# Altium PCB 32直立车-PCB.PcbDoc (part 2 of 2)
Units mm, origin at the board's own origin, x right, y up, seen from the top; angles counter-clockwise.
Board outline 90.55 x 46 mm, 2 copper layers (Top Layer, Bottom Layer); 120 components, 108 nets, 431 pads, 289 vias.
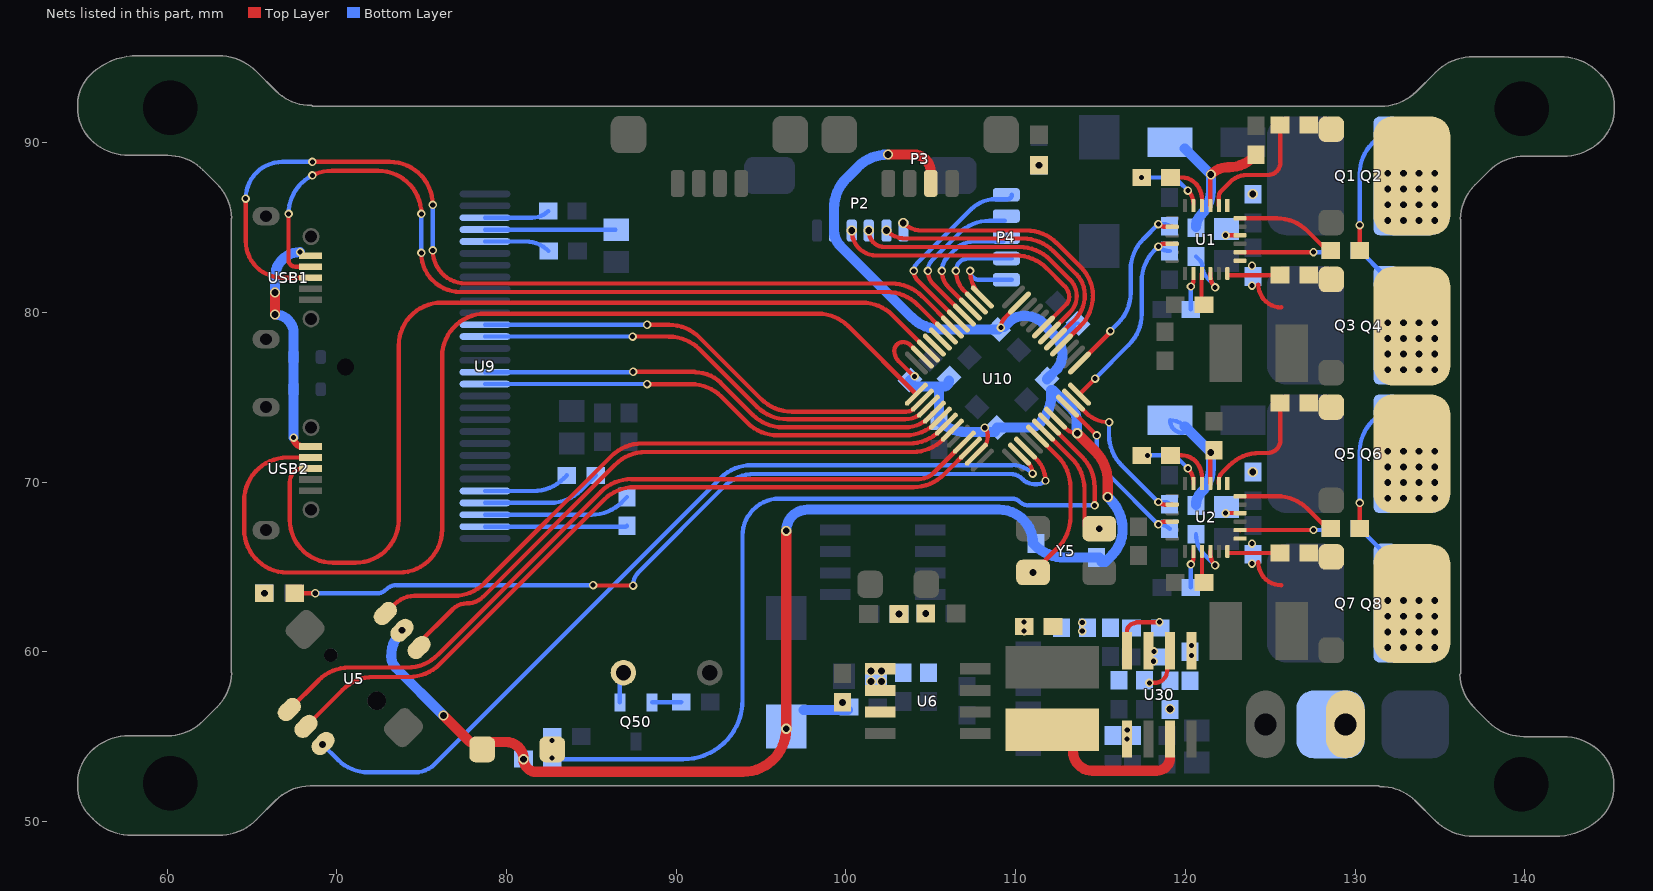
[diagram p2: the nets of this part, all layers, seen from the top]

## Via types
v1: diameter 0.6, hole 0.4, Top Layer to Bottom Layer, tented both sides, 156 vias
v2: diameter 0.5, hole 0.3, Top Layer to Bottom Layer, tented both sides, 131 vias
v3: diameter 0.46, hole 0.3, Top Layer to Bottom Layer, tented both sides, 2 vias

## Nets (pads, with @x,y where several pads share a name; then routed paths per layer and width w, separated by ;. In a path a pad name is that pad's centre, name@x,y a point inside that pad or via, vN(x,y) a via of type N, cw(c..) or ccw(c..) an arc to the next point about the centre after c; other vN are vias at no path point) (continued)
D-GND: C39.2 C40.1 C50.1 C51.1 C52.1 C53.1 C54.1 C55.1 C56.1 C57.1 P2.2 P3.2 R38.1 R51.1 R551.1 S50.1 U5.5 U10.8 U10.23 U10.35 U10.47 | length 129.5
  Top Layer w0.254: v2(104.038,76.225) 104,76.225 103.115,77.11 cw(c103.755,77.75) 102.85,77.75 cw(c103.35,77.75) 103.35,78.25 103.369,78.25 cw(c103.369,77.653) 103.791,78.075 U10.35@104.496,77.37 ; U10.47@107.678,71.642 U10.47@108.112,72.076 ; v2(108.175,73.2) cw(c107.753,72.778) 108.35,72.778 108.35,72.65 cw(c107.539,72.65) U10.47@108.113,72.077 ; U10.47@108.229,72.193 U10.47@108.113,72.077 ; v2@109.2,79.1 v2(109.125,79.1) cw(c109.977,79.1) 109.375,79.703 U10.23@110.224,80.552 U10.23@109.828,80.156 ; U10.8@112.345,73.764 112.939,73.169 ccw(c113.65,73.88) 113.65,72.875 v1(113.625,72.875)
  Top Layer w0.6: v1(76.287,56.238) S50.1@77.837,54.688 ; S50.1@78.925,54.675 79.992,54.675 cw(c79.992,53.668) v1(80.999,53.668) ccw(c81.742,53.668) 81.742,52.925 93.935,52.925 ccw(c93.935,55.465) v1(96.475,55.465) v1(96.475,67.125) ; v1(102.475,89.3) 103.975,89.3 cw(c103.975,88.275) 105,88.275 P3.2@105,87.601 ; v1(113.625,72.875) 114.681,71.819 cw(c112.885,70.023) 115.425,70.023 v1(115.425,69.125)
  Bottom Layer w0.254: C56.1@111.025,66.375 C56.1@111.103,66.297 ; R551.1@113.278,79.184 cw(c113.676,78.786) R551.1@113.676,79.349 ; v1@113.6,72.996 ccw(c113.771,72.996) 113.65,72.875 v1(113.625,72.875) ; v1(115.425,69.125) v1@115.558,68.992
  Bottom Layer w0.6: v1(73.837,61.262) 73.836,61.261 ccw(c75.372,59.725) 73.2,59.725 ccw(c74.166,59.725) 73.483,59.042 v1(76.287,56.238) ; v1(96.475,67.125) cw(c97.725,67.125) 97.725,68.375 109.025,68.375 cw(c109.025,66.375) C56.1@111.025,66.375 ; C39.2@97.5,56.568 R38.1@100.099,56.568 ; v1(102.475,89.3) ccw(c102.475,86.765) 100.683,88.558 100.037,87.912 ccw(c101.833,86.116) 99.293,86.116 P2.2@99.293,84.818 ccw(c100.586,84.818) 99.672,83.903 103.847,79.728 ccw(c105.643,81.524) 105.643,78.984 C53.1@108.985,78.984 ; C55.1@103.771,76.015 ccw(c104.161,76.015) 104.161,75.625 105.718,75.625 ccw(c105.718,75.971) C51.1@106.064,75.971 ; 105.474,75.45 R51.1@105.474,73.618 ccw(c107.087,75.231) 107.087,72.95 C52.1@108.775,72.95 ; C52.1@108.917,73.21 110.82,73.21 ccw(c110.82,74.03) 111.4,73.45 ccw(c109.71,75.14) 112.1,75.14 112.1,75.431 cw(c112.1,75.263) 112.218,75.382 113.353,74.247 ; C53.1@109.318,79.143 109.602,79.426 cw(c110.503,78.525) 109.921,79.659 cw(c110.503,78.525) 110.503,79.8 cw(c110.503,78.178) 111.56,79.409 ; C56.1@111.103,66.297 ccw(c112.899,68.093) 112.899,65.553 C57.1@114.924,65.553 ; 111.45,79.525 111.56,79.409 ; 111.65,79.325 ccw(c110.503,78.178) 111.56,79.409 ; C54.1@111.838,76.063 112.376,76.601 ccw(c111.475,77.503) 112.75,77.503 ccw(c111.128,77.503) 112.485,78.391 ; R551.1@113.278,79.184 112.485,78.391 ; 113.353,74.247 cw(c112.755,73.65) 113.6,73.65 v1@113.6,72.996 ; C57.1@115.075,65.3 115.275,65.3 115.681,65.706 ccw(c114.188,67.2) 116.3,67.2 ccw(c113.765,67.2) v1@115.558,68.992 ; 111.56,79.409 112.275,78.65 cw(c111.128,77.503) 112.485,78.391
  other v1: 99.799,57.018
ENCODER-1: P2.5 U10.17 | length 17.7
  Top Layer w0.254: v1(102.388,84.818) ccw(c103.518,85.948) 103.518,84.35 110.423,84.35 cw(c110.423,81.81) 112.219,83.606 113.562,82.263 cw(c112.325,81.025) 114.075,81.025 cw(c111.988,81.025) 113.464,79.549 U10.17@112.345,78.43 ; U10.17@112.701,78.787 U10.17@112.345,78.43 ; U10.17@112.719,78.805 U10.17@112.345,78.43
ENCODER-2: P2.6 U10.16 | length 16.8
  Top Layer w0.254: v1(103.375,85.275) ccw(c104.461,86.361) 104.461,84.825 110.623,84.825 cw(c110.623,82.285) 112.419,84.081 113.864,82.636 cw(c112.209,80.98) 114.55,80.98 cw(c112.01,80.98) 113.806,79.184 U10.16@112.699,78.077
GHA-1: R1.2 U1.24 | length 5.6
  Top Layer w0.254: U1.24@123.224,85.543 125.397,85.543 cw(c125.397,83.003) 127.193,84.799 R1.2@128.19,83.802
GHA-2: R10.2 U2.24 | length 5.6
  Top Layer w0.254: U2.24@123.224,69.168 125.397,69.168 cw(c125.397,66.628) 127.193,68.424 R10.2@128.19,67.427
GHB-1: R5.2 U1.20 | length 5.4
  Top Layer w0.254: U1.20@123.224,83.543 123.235,83.554 123.239,83.55 v2(127.55,83.55)
  Bottom Layer w0.254: v2(127.55,83.55) 128.317,83.55 128.322,83.554 128.333,83.543 ccw(c128.333,83.884) R5.2@128.574,83.643
GHB-2: R14.2 U2.20 | length 5
  Top Layer w0.254: U2.20@123.224,67.168 123.234,67.178 123.238,67.175 v2(127.55,67.175)
  Bottom Layer w0.254: v2(127.55,67.175) 128.197,67.175 R14.2@128.2,67.178
GLA-1: R4.1 U1.2 | length 7.3
  Top Layer w0.254: U1.2@121.974,86.293 121.974,86.841 cw(c122.401,86.841) 122.099,87.143 ; 122.099,87.143 122.642,87.686 cw(c123.624,86.705) 123.624,88.093 124.849,88.093 ccw(c124.849,88.843) 125.599,88.843 R4.1@125.599,91.018
GLA-2: R13.1 U2.2 | length 7.1
  Top Layer w0.254: U2.2@121.974,69.918 121.974,70.107 cw(c122.593,70.107) 122.155,70.545 122.585,70.974 cw(c124.381,69.178) 124.381,71.718 124.849,71.718 ccw(c124.849,72.468) 125.599,72.468 R13.1@125.599,74.643
GLB-1: R6.1 U1.18 | length 2.9
  Top Layer w0.254: U1.18@122.574,82.193 R6.1@125.449,82.193
GLB-2: R15.1 U2.18 | length 2.9
  Top Layer w0.254: U2.18@122.574,65.818 R15.1@125.449,65.818
IN-3V3: D100.1 D101.1 USB1.1 USB2.1 | length 14
  Top Layer w0.254: USB2.1@67.982,72.093 USB2.1@68.449,72.093 ; USB1.1@68.177,83.343 USB1.1@68.449,83.343
  Top Layer w0.4: v2(67.45,72.625) ccw(c67.982,72.625) USB2.1@67.982,72.093
  Top Layer w0.6: v1(66.35,79.875) v1(66.35,81.175)
  Bottom Layer w0.6: v1(66.35,79.875) cw(c66.35,78.776) 67.449,78.776 D100.1@67.449,77.368 D101.1@67.449,75.468 67.45,75.467 v2(67.45,72.625) ; v1(66.35,81.175) 66.35,82.075 cw(c67.825,82.075) v2(67.825,83.55)
KEY-DOWN: U5.6 U10.43 | length 36.5
  Top Layer w0.254: U5.6@74.695,60.379 76.823,62.508 cw(c77.65,61.681) 77.65,62.85 ccw(c77.65,64.238) 78.632,63.257 86.406,71.031 cw(c88.202,69.235) 88.202,71.775 103.93,71.775 ccw(c103.93,74.315) 105.727,72.519 U10.43@106.264,73.056
KEY-LEFT: U5.3 U10.2 | length 51.3
  Top Layer w0.254: U10.2@110.224,71.642 110.741,71.125 cw(c110.116,70.5) v2(111,70.5)
  Bottom Layer w0.254: v1(69.149,54.543) 70.055,53.637 ccw(c71.851,55.433) 71.851,52.893 74.599,52.893 ccw(c74.599,54.523) 75.751,53.37 92.637,70.256 cw(c94.433,68.46) 94.433,71 105.406,71 105.41,70.996 105.89,70.996 105.894,71 109.793,71 cw(c109.793,69.293) v2(111,70.5)
KEY-MID: U5.2@68.18,55.605 U10.46 | length 45.5
  Top Layer w0.254: U5.2@68.18,55.605 70.349,57.774 cw(c72.145,55.978) 72.145,58.518 74.247,58.518 ccw(c74.247,61.058) 76.043,59.262 85.737,68.956 cw(c87.533,67.16) 87.533,69.7 103.977,69.7 ccw(c103.977,72.24) 105.773,70.444 U10.46@107.325,71.996
KEY-RIGHT: U5.4 U10.42 | length 37.3
  Top Layer w0.254: U5.4@72.85,62.25 73.411,62.811 cw(c74.574,61.648) 74.574,63.293 76.891,63.293 ccw(c76.891,65.833) 78.687,64.037 86.181,71.531 cw(c87.977,69.735) 87.977,72.275 103.723,72.275 ccw(c103.723,74.815) 105.519,73.019 U10.42@105.91,73.41
KEY-UP: U5.1@67.192,56.592 U10.45 | length 45.9
  Top Layer w0.254: U5.1@67.192,56.592 68.924,58.324 cw(c70.72,56.528) 70.72,59.068 74.141,59.068 ccw(c74.141,61.608) 75.937,59.812 85.556,69.431 cw(c87.352,67.635) 87.352,70.175 104.273,70.175 ccw(c104.273,71.44) 105.167,70.545 U10.45@106.971,72.349 U10.45@106.971,72.327
LED: LED4.C U10.3 | length 50
  Top Layer w0.254: LED4.C@67.324,63.443 LED4.C@67.524,63.443 68.718,63.443 v2(68.725,63.45) ; v2(85.1,63.925) 85.125,63.9 v2(87.45,63.9) ; U10.3@110.577,71.996 111.221,71.352 cw(c109.944,70.075) v3(111.75,70.075)
  Bottom Layer w0.254: v2@68.725,63.443 72.356,63.443 ccw(c72.356,64.211) 72.899,63.668 cw(c73.532,63.035) 73.532,63.93 73.537,63.925 v2(85.1,63.925) ; v2(87.45,63.9) cw(c88.582,63.9) 87.782,64.701 92.812,69.731 cw(c94.608,67.935) 94.608,70.475 109.676,70.475 cw(c109.676,69.451) 110.4,70.175 110.417,70.158 ccw(c111.1,70.841) 111.1,69.875 111.267,69.875 ccw(c111.267,70.558) v3(111.75,70.075)
MOTOR-1-A: R3.1 U1.8 U10.13 | length 11.5
  Top Layer w0.254: U10.13@113.759,77.016 U10.13@114.273,77.53 ; U10.13@114.274,77.53 115.575,78.832 v2(115.575,78.9) ; v2(118.406,85.2) ccw(c118.785,85.579) 118.785,85.043 U1.8@119.224,85.043
  Bottom Layer w0.254: v2(115.575,78.9) 116.031,79.356 ccw(c114.235,81.152) 116.775,81.152 116.775,82.517 cw(c119.315,82.517) 117.519,84.313 v2(118.406,85.2) 118.755,85.2 cw(c118.755,84.749) R3.1@119.074,85.068
MOTOR-1-B: R2.1 U1.10 U10.12 | length 12
  Top Layer w0.254: U10.12@113.759,75.178 114.579,75.997 ccw(c114.482,76.094) 114.619,76.094 v2(114.675,76.094) ; v2(118.406,83.878) cw(c118.803,83.481) 118.803,84.043 U1.10@119.224,84.043
  Bottom Layer w0.254: v2(114.675,76.094) 116.681,78.1 ccw(c114.885,79.896) 117.425,79.896 117.425,81.845 cw(c119.965,81.845) 118.169,83.641 v2(118.406,83.878) ccw(c119.034,84.507) 119.034,83.618 R2.1@119.074,83.618
MOTOR-2-A: R12.1 U2.8 U10.11 | length 9.9
  Top Layer w0.254: U10.11@113.406,74.824 114.143,74.087 ccw(c115.5,75.444) v2(115.5,73.525) ; v2@118.425,68.825 ccw(c118.804,69.204) 118.804,68.668 U2.8@119.224,68.668
  Bottom Layer w0.254: v2(115.5,73.525) 115.5,72.783 ccw(c118.04,72.783) 116.244,70.987 v2(118.406,68.825) 118.755,68.825 cw(c118.755,68.374) R12.1@119.074,68.693
MOTOR-2-B: R11.1 U2.10 U10.10 | length 10.7
  Top Layer w0.254: U10.10@113.052,74.471 114.243,73.28 114.245,73.28 v2(114.775,72.75) ; v2(118.406,67.503) cw(c118.803,67.106) 118.803,67.668 U2.10@119.224,67.668
  Bottom Layer w0.254: v2(114.775,72.75) 114.775,72.186 ccw(c117.315,72.186) 115.519,70.39 v2(118.406,67.503) 118.446,67.503 cw(c118.446,66.615) R11.1@119.074,67.243
MPU6050-SCL: P2.3 U10.19 | length 17.1
  Top Layer w0.254: v1(100.34,84.818) 100.34,84.81 ccw(c101.8,84.81) 101.8,83.35 103.081,83.35 103.085,83.354 103.565,83.354 103.569,83.35 110.023,83.35 cw(c110.023,80.81) 111.819,82.606 112.885,81.54 cw(c112.245,80.9) 113.15,80.9 cw(c112.545,80.9) 112.973,80.472 U10.19@111.638,79.138
MPU6050-SDA: P2.4 U10.18 | length 17.7
  Top Layer w0.254: v1(101.34,84.818) 101.34,84.78 ccw(c102.271,84.78) 102.271,83.85 110.223,83.85 cw(c110.223,81.31) 112.019,83.106 113.211,81.914 cw(c112.272,80.975) 113.6,80.975 cw(c112.194,80.975) 113.188,79.981 U10.18@111.992,78.784 U10.18@112.511,79.303
Net12V-IN_1: 12V-IN.1 S1.2
NetC2_1: C2.1 U1.4 | length 2.9
  Top Layer w0.254: C2.1@119.125,87.95 119.79,87.95 cw(c119.79,86.84) 120.575,87.625 cw(c119.612,86.662) U1.4@120.974,86.662 ; U1.4@120.974,86.293 U1.4@120.974,86.596
NetC2_2: C2.2 U1.5 | length 3.9
  Top Layer w0.254: v2(120.15,87.175) cw(c119.368,86.393) U1.5@120.474,86.393
  Bottom Layer w0.254: v2(117.425,87.95) 118.975,87.95 cw(c118.975,86.984) 119.658,87.667 v2(120.15,87.175)
NetC5_2: C5.2 U1.22 | length 0.7
  Top Layer w0.254: v2(122.374,84.543) U1.22@123.074,84.543
NetC9_1: C9.1 U2.4 | length 3
  Top Layer w0.254: C9.1@119.125,71.575 119.79,71.575 cw(c119.79,70.465) 120.575,71.25 cw(c119.612,70.287) 120.974,70.287 U2.4@120.974,69.918
NetC9_2: C9.2 U2.5 | length 3.7
  Top Layer w0.254: v2@120.273,70.8 v2(120.15,70.8) cw(c119.368,70.018) 120.474,70.018 U2.5@120.474,69.918
  Bottom Layer w0.254: v2@117.776,71.575 118.975,71.575 cw(c118.975,70.609) 119.658,71.292 v2(120.15,70.8)
  other v2: 117.776,71.576
NetC12_2: C12.2 U2.22 | length 0.5
  Top Layer w0.254: v2(122.374,68.168) 122.381,68.175 U2.22@122.875,68.175
NetC33_1: C33.1 L30.1 U30.3 | length 6.8
  Top Layer w0.6: L30.1@113.374,54.143 ccw(c114.533,54.143) 114.533,52.984 118.301,52.984 ccw(c118.299,53.784) U30.3@119.099,53.768
  other v1: 119.1,56.625
NetC33_2: C33.2 R30.1
NetC34_1: C34.1 U30.7
  other v2: 118.124,59.443 118.149,60.018
NetC35_1: C35.1 R33.2 U30.1
  other v2: 116.555,54.862 116.574,55.393
NetC38_2: C38.2 R36.2
  other v2: 110.499,61.218 110.499,61.743
NetC42_2: C42.2 C43.2 F4.2 U6.5 U6.6 U6.7
  other v1: 101.474,58.243 102.099,58.243 101.474,58.868 102.099,58.868
NetC60_1: C60.1 U9.2 | length 8.4
  Bottom Layer w0.254: U9.2@78.728,67.372 86.989,67.372 ccw(c86.989,67.528) C60.1@87.099,67.418
NetC60_2: C60.2 U9.3 | length 8.7
  Bottom Layer w0.254: U9.3@78.728,68.073 85.001,68.073 ccw(c85.001,70.613) 86.797,68.816 C60.2@87.099,69.118
NetC61_1: C61.1 U9.4 | length 7.1
  Bottom Layer w0.254: U9.4@78.728,68.773 82.577,68.773 ccw(c82.577,71.313) 84.373,69.517 C61.1@85.249,70.393
NetC61_2: C61.2 U9.5 | length 5.1
  Bottom Layer w0.254: U9.5@78.728,69.473 81.577,69.473 ccw(c81.577,72.013) 83.373,70.217 C61.2@83.549,70.393
NetC62_1: C62.1 U9.27 | length 7.7
  Bottom Layer w0.254: U9.27@78.728,84.877 C62.1@86.415,84.877
NetC63_1: C63.1 U9.28 | length 3.8
  Bottom Layer w0.254: U9.28@78.728,85.577 81.506,85.577 ccw(c81.506,86.911) C63.1@82.449,85.968
NetLED1_A: LED1.A R41.1
  other v1: 111.375,88.675
NetLED2_A: LED2.A R42.1
  other v1: 104.7,62.25
NetLED3_A: LED3.A R43.1
  other v1: 103.124,62.218
NetLED4_A: LED4.A R44.1
  other v1: 65.724,63.443
NetQ1_1: Q1.1 R1.1 | length 7.7
  Top Layer w0.254: R1.1@130.274,83.643 v2(130.274,85.143)
  Bottom Layer w0.254: v2(130.274,85.143) 130.274,88.166 cw(c132.814,88.166) 131.018,89.962 Q1.1@131.849,90.793
NetQ2_1: Q2.1 R4.2
NetQ3_1: Q3.1 R5.1 | length 2.1
  Bottom Layer w0.254: R5.1@130.274,83.643 Q3.1@131.753,82.164
NetQ4_1: Q4.1 R6.2
NetQ5_1: Q5.1 R10.1 | length 7.7
  Top Layer w0.254: R10.1@130.274,67.268 v2(130.274,68.768)
  Bottom Layer w0.254: v2(130.274,68.768) 130.274,71.791 cw(c132.814,71.791) 131.018,73.587 Q5.1@131.849,74.418
NetQ6_1: Q6.1 R13.2
NetQ7_1: Q7.1 R14.1 | length 2.1
  Bottom Layer w0.254: R14.1@130.274,67.268 Q7.1@131.753,65.789
NetQ8_1: Q8.1 R15.2
NetQ50_1: Q50.1 SPEAKER1.1 | length 1.8
  Bottom Layer w0.254: Q50.1@86.674,57.018 86.674,58.237 cw(c87.391,58.237) SPEAKER1.1@86.884,58.744
NetQ50_2: Q50.2 R53.2 | length 1.7
  Bottom Layer w0.254: Q50.2@88.574,57.018 90.274,57.018 R53.2@90.299,57.043
NetR7_1: R7.1 U1.14 | length 1.7
  Top Layer w0.254: v2(120.325,81.525) ccw(c119.965,81.885) 120.474,81.885
  Bottom Layer w0.254: R7.1@120.325,80.175 v2(120.325,81.525)
NetR8_1: R8.1 U1.16 | length 3.1
  Top Layer w0.254: U1.16@121.474,82.293 121.474,82.141 ccw(c122.416,82.141) v2(121.75,81.475)
  Bottom Layer w0.254: R8.1@120.624,83.293 120.864,83.053 cw(c120.536,82.725) 121,82.725 ccw(c121.966,82.725) 121.283,82.042 121.75,81.575 v2(121.75,81.475)
NetR9_2: R9.2 U1.15 | length 1.7
  Top Layer w0.254: R9.2@120.974,80.65 120.952,80.672 120.952,82.271 U1.15@120.974,82.293
NetR16_1: R16.1 U2.14 | length 2.2
  Top Layer w0.254: v2(120.325,65.15) ccw(c119.965,65.51) 120.474,65.51 U2.14@120.474,65.918
  Bottom Layer w0.254: R16.1@120.325,63.8 v2(120.325,65.15)
NetR17_1: R17.1 U2.16 | length 3.1
  Top Layer w0.254: U2.16@121.474,65.918 121.474,65.766 ccw(c122.416,65.766) v2(121.75,65.1)
  Bottom Layer w0.254: R17.1@120.624,66.918 ccw(c122.295,66.918) 121.113,65.737 v2(121.75,65.1)
NetR18_2: R18.2 U2.15 | length 1.9
  Top Layer w0.254: U2.15@120.974,65.918 120.974,64.379 ccw(c121.404,64.379) R18.2@121.1,64.075
NetR30_2: R30.2 U30.5
  other v2: 120.349,59.768 120.349,60.368
NetR31_1: R31.1 R32.1 R34.1 R36.1
  other v2: 113.924,61.218 113.924,61.718
NetR31_2: R31.2 U30.8 | length 3.3
  Top Layer w0.254: U30.8@116.555,60.062 116.555,61.174 cw(c117.074,61.174) 117.074,61.693 117.124,61.743 v2(118.474,61.743)
NetR35_1: R35.1 R37.2 U30.6 | length 2.7
  Top Layer w0.254: v2(117.874,58.168) 118.199,58.168 ccw(c118.199,58.893) 118.924,58.893 118.924,59.89 cw(c119.095,59.89) U30.6@119.095,60.062
NetR60_2: R60.2 U9.26 | length 3.9
  Bottom Layer w0.254: U9.26@78.728,84.177 81.124,84.177 cw(c81.124,82.268) R60.2@82.474,83.618
NRST: C50.2 R50.1 S50.2 U10.7 | length 50.8
  Top Layer w0.254: U10.7@111.992,73.41 113.906,71.495 cw(c112.11,69.699) 114.65,69.699 v2(114.65,68.625)
  Bottom Layer w0.254: C50.2@82.699,53.668 90.414,53.668 ccw(c90.414,57.153) 93.899,57.153 93.899,66.835 cw(c96.089,66.835) 96.089,69.025 109.803,69.025 cw(c109.803,68.428) 110.225,68.85 ccw(c110.768,69.393) 110.768,68.625 v2(114.65,68.625)
  other v2: 82.674,53.743 82.674,54.768
OLED-D0: U9.18 U10.39 | length 28.2
  Top Layer w0.254: v2(87.425,78.575) 89.565,78.575 89.572,78.568 cw(c89.572,76.028) 91.368,77.824 94.748,74.444 ccw(c96.544,76.24) 96.544,73.7 103.5,73.7 ccw(c103.5,75.098) 104.489,74.11 U10.39@104.85,74.471
  Bottom Layer w0.254: U9.18@78.728,78.576 v2(87.425,78.575)
OLED-D1: U9.19 U10.38 | length 27.9
  Top Layer w0.254: v2(88.274,79.268) 89.572,79.268 cw(c89.572,76.728) 91.368,78.524 94.998,74.894 ccw(c96.794,76.69) 96.794,74.15 103.55,74.15 ccw(c103.55,74.807) 104.014,74.342 U10.38@104.496,74.824
  Bottom Layer w0.254: U9.19@78.728,79.276 v2@88.274,79.276
OLED-DC: U9.15 U10.40 | length 27.9
  Top Layer w0.254: v2(87.45,76.5) 91.083,76.5 91.115,76.468 cw(c91.115,74.334) 92.624,75.843 94.498,73.969 ccw(c96.294,75.765) 96.294,73.225 103.475,73.225 ccw(c103.475,75.244) 104.903,73.816 U10.40@105.203,74.117
  Bottom Layer w0.254: U9.15@78.728,76.475 v2@87.45,76.475
OLED-RST: U9.14 U10.41 | length 28.2
  Top Layer w0.254: v2(88.274,75.768) 90.872,75.768 cw(c90.872,73.228) 92.668,75.024 94.198,73.494 ccw(c95.994,75.29) 95.994,72.75 103.491,72.75 ccw(c103.491,75.29) 105.287,73.494 U10.41@105.557,73.764
  Bottom Layer w0.254: U9.14@78.728,75.775 v2@88.274,75.775
OSC-IN: C56.2 U10.5 Y5.1 | length 9.5
  Top Layer w0.254: v1(111.025,64.675) 112.481,66.131 ccw(c110.685,67.927) 113.225,67.927 113.225,69.71 ccw(c110.685,69.71) 112.481,71.506 U10.5@111.284,72.703
OSC-OUT: C57.2 U10.6 Y5.3 | length 6.5
  Top Layer w0.254: U10.6@111.638,73.056 113.306,71.388 cw(c111.51,69.592) 114.05,69.592 Y5.3@114.05,67.425
  other v1: 114.924,67.253
PA8-NO: P4.1 U10.29 | length 11.7
  Top Layer w0.254: v2(103.99,82.45) ccw(c104.791,82.45) 104.225,81.884 U10.29@106.618,79.491
  Bottom Layer w0.254: v2(103.99,82.45) cw(c104.571,82.45) 104.16,82.86 107.374,86.074 cw(c108.825,84.623) 108.825,86.675 109.525,86.675 ccw(c109.525,86.925) P4.1@109.775,86.925
PA11-NO: U10.32
PA12--NO: U10.33
PB12-NO: P4.5 U10.25 | length 4.5
  Top Layer w0.254: v2(107.31,82.45) ccw(c109.295,82.45) 107.891,81.046 U10.25@108.032,80.905
  Bottom Layer w0.254: v2(107.31,82.45) ccw(c107.835,82.45) 107.835,81.925 P4.5@109.45,81.925 P4.5@109.775,81.925
PB13-NO: P4.4 U10.26 | length 6
  Top Layer w0.254: v2(106.48,82.45) ccw(c108.169,82.45) 106.975,81.255 U10.26@107.678,80.552
  Bottom Layer w0.254: v2(106.48,82.45) cw(c107.205,82.45) 107.205,83.175 P4.4@109.45,83.175 P4.4@109.775,83.175
PB14-NO: P4.3 U10.27 | length 7.4
  Top Layer w0.254: v2(105.65,82.45) ccw(c107.043,82.45) 106.058,81.465 U10.27@107.325,80.198
  Bottom Layer w0.254: v2(105.65,82.45) cw(c106.797,82.45) 105.986,83.261 106.451,83.726 cw(c107.535,82.642) 107.535,84.175 P4.3@109.275,84.175
PB15-NO: P4.2 U10.28 | length 9.3
  Top Layer w0.254: v2(104.82,82.45) ccw(c105.917,82.45) 105.142,81.674 U10.28@106.971,79.845
  Bottom Layer w0.254: v2(104.82,82.45) cw(c105.714,82.45) 105.082,83.082 106.656,84.656 cw(c108.452,82.86) 108.452,85.4 P4.2@109.35,85.4
SA-1: B1.1 C4.2 Q1.3 Q2.2 U1.1
  other v1: 131.924,85.418 132.849,85.418 133.774,85.418 134.699,85.418 131.924,86.343 132.849,86.343 133.774,86.343 134.699,86.343 123.974,86.968 131.924,87.268 132.849,87.268 133.774,87.268 134.699,87.268 131.924,88.193 132.849,88.193 133.774,88.193 134.699,88.193
SA-2: B2.1 C11.2 Q5.3 Q6.2 U2.1
  other v1: 131.924,69.043 132.849,69.043 133.774,69.043 134.699,69.043 131.924,69.968 132.849,69.968 133.774,69.968 134.699,69.968 123.974,70.593 131.924,70.893 132.849,70.893 133.774,70.893 134.699,70.893 131.924,71.818 132.849,71.818 133.774,71.818 134.699,71.818
SB-1: B1.2 C7.2 Q3.3 Q4.2 U1.19 | length 2.1
  Top Layer w0.254: 124.299,81.643 ccw(c125.649,81.643) 125.649,80.293
  other v1: 131.924,76.618 132.849,76.618 133.774,76.618 134.699,76.618 131.924,77.543 132.849,77.543 133.774,77.543 134.699,77.543 131.924,78.468 132.849,78.468 133.774,78.468 134.699,78.468 131.924,79.393 132.849,79.393 133.774,79.393 134.699,79.393
  other v2: 123.925,81.575 123.925,82.75
SB-2: B2.2 C14.2 Q7.3 Q8.2 U2.19 | length 2.1
  Top Layer w0.254: 124.299,65.268 ccw(c125.649,65.268) 125.649,63.918
  other v1: 131.924,60.243 132.849,60.243 133.774,60.243 134.699,60.243 131.924,61.168 132.849,61.168 133.774,61.168 134.699,61.168 131.924,62.093 132.849,62.093 133.774,62.093 134.699,62.093 131.924,63.018 132.849,63.018 133.774,63.018 134.699,63.018
  other v2: 123.925,65.2 123.925,66.375
SWCLK: U10.37 USB2.2 | length 63.1
  Top Layer w0.254: USB2.2@68.449,71.443 67.074,71.443 ccw(c67.074,68.903) 64.534,68.903 64.534,67.208 ccw(c67.074,67.208) 67.074,64.668 73.659,64.668 ccw(c73.659,67.208) 76.199,67.208 76.199,77.385 cw(c78.739,77.385) 78.739,79.925 98.343,79.925 cw(c98.343,77.385) 100.139,79.181 U10.37@104.143,75.178
SWDIO: U10.34 USB2.3 | length 57.2
  Top Layer w0.254: USB2.3@68.449,70.793 67.999,70.793 ccw(c67.999,70.018) 67.224,70.018 67.224,67.783 ccw(c69.764,67.783) 69.764,65.243 71.099,65.243 ccw(c71.099,67.783) 73.639,67.783 73.639,78.035 cw(c76.179,78.035) 76.179,80.575 100.946,80.575 cw(c100.946,78.035) 102.742,79.831 U10.34@104.85,77.723
UART1-RX: U10.31 USB1.2 | length 50.4
  Top Layer w0.254: v2(67.149,85.803) 67.149,83.093 ccw(c67.549,83.093) 67.549,82.693 USB1.2@68.449,82.693 ; v2@68.536,88.066 cw(c69.689,85.803) 69.689,88.343 72.435,88.343 cw(c72.435,85.803) v2(74.975,85.803) ; v2(74.975,83.5) ccw(c77.275,83.5) 77.275,81.2 102.417,81.2 cw(c102.417,78.66) 104.213,80.456 U10.31@105.91,78.759
  Bottom Layer w0.254: v2(67.149,85.803) cw(c69.689,85.803) v2@68.536,88.066 ; v2(74.975,83.5) v2(74.975,85.803)
  other v2: 68.55,88.075
UART1-TX: U10.30 USB1.3 | length 56.6
  Top Layer w0.254: v2(64.624,86.703) 64.624,84.208 ccw(c66.789,84.208) 66.789,82.043 USB1.3@68.449,82.043 ; v2(68.55,88.868) 73.11,88.868 cw(c73.11,86.328) v2(75.65,86.328) ; v2(75.65,83.65) ccw(c77.6,83.65) 77.6,81.7 102.674,81.7 cw(c102.674,79.16) 104.47,80.956 U10.30@106.289,79.138
  Bottom Layer w0.254: v2(64.624,86.703) cw(c66.789,86.703) 66.789,88.868 v2(68.55,88.868) ; v2(75.65,83.65) v2(75.65,86.328)
VBB-1: C3.2 D1.K R8.2 U1.3 | length 10.3
  Top Layer w0.254: U1.3@121.474,86.293 121.474,88.062 cw(c121.563,88.062) v1(121.5,88.125) ; 122.526,88.55 122.55,88.55 ; C3.2@124.011,89.155 C3.2@124.149,89.293
  Top Layer w0.6: v1(121.5,88.125) cw(c122.526,87.099) 122.526,88.55 ; 122.55,88.55 ccw(c122.55,90.617) C3.2@124.011,89.155
  Bottom Layer w0.6: D1.K@119.966,89.659 v1(121.5,88.125) 121.5,87.138 cw(c119.537,87.138) 120.925,85.75 ccw(c121.652,85.023) R8.2@120.624,85.023
VBB-2: C10.2 D2.K R17.2 U2.3 | length 9.7
  Top Layer w0.254: U2.3@121.474,69.918 C10.2@121.474,71.543
  Bottom Layer w0.254: D2.K@119.849,72.893 cw(c119.849,73.643) D2.K@119.099,73.643 cw(c119.099,72.417) D2.K@119.966,73.284 ; R17.2@120.624,68.618 R17.2@120.624,68.648 ; R17.2@120.649,68.618 cw(c121.192,68.618) R17.2@120.808,69.002
  Bottom Layer w0.6: D2.K@119.966,73.284 v1(121.5,71.75) 121.5,70.763 cw(c119.537,70.763) 120.925,69.375 ccw(c121.652,68.648) R17.2@120.624,68.648
pads on no net: P1.0 P2.9 P2.10 P3.0 U5.0 U5.1@69.648,59.799 U5.2@72.342,57.105 U6.8 U9.7 U9.20 U100.8 USB1.0 USB1.4 USB2.0 USB2.4 Y5.2 Y5.4

## Polygon pours and split planes (outlines as drawn)
A-GND on Top Layer "Bottom Layer-No Net" (solid, pour order 0): 68.477,92.068 131.473,92.068 cw(c131.473,92.018) 131.523,92.018 133.535,92.018 cw(c133.535,89.478) 136.075,89.478 136.075,85.43 136.075,58.794 ccw(c136.099,58.794) 136.099,58.77 136.099,54.765 cw(c133.559,54.765) 133.559,52.225 130.825,52.225 68.477,52.225 68.477,52.218 66.439,52.218 cw(c66.439,54.758) 63.899,54.758 63.899,58.82 63.899,85.48 63.899,89.478 cw(c66.439,89.478) 66.439,92.018 68.477,92.018
A-GND on Bottom Layer "Bottom Layer-No Net" (solid, pour order 2): 68.477,92.068 131.473,92.068 cw(c131.473,92.018) 131.523,92.018 133.559,92.018 cw(c133.559,89.478) 136.099,89.478 136.099,85.43 136.099,58.77 136.099,54.74 cw(c133.559,54.74) 133.559,52.2 131.6,52.2 68.495,52.2 cw(c68.495,52.218) 68.477,52.218 66.465,52.218 cw(c66.465,54.758) 63.925,54.758 63.925,58.82 63.925,89.478 cw(c66.465,89.478) 66.465,92.018 68.477,92.018

## Keep-outs
Keep-Out Layer:
  lines w0.254: 54.85,52.055 ccw(c57.155,52.055) 55.765,50.216 ; 54.85,92.028 ccw(c57.332,92.028) 55.577,90.273 ccw(c57.745,92.441) 57.745,89.375 59.725,89.375 60.03,89.375 cw(c60.03,86.309) 62.198,88.477 63.027,87.648 cw(c60.859,85.48) 63.925,85.48 ; 54.859,52.055 cw(c57.332,52.272) 55.577,54.027 cw(c57.745,51.859) 57.745,54.925 59.725,54.925 60.03,54.925 ccw(c60.03,57.991) 62.198,55.823 63.027,56.652 ccw(c60.859,58.82) 63.925,58.82 ; 54.86,92.029 cw(c57.155,92.245) 55.525,93.875 cw(c58.241,91.159) 58.241,95 63.005,95 cw(c63.005,91.934) 65.173,94.102 66.309,92.966 ccw(c68.477,95.134) 68.477,92.068 ; 55.752,50.198 ccw(c57.92,52.366) 57.92,49.3 63.005,49.3 ccw(c63.005,52.366) 65.173,50.198 66.309,51.334 cw(c68.477,49.166) 68.477,52.232 ; 63.899,58.82 63.899,85.48 ; 68.477,52.218 131.498,52.218 ; 68.477,92.018 131.523,92.018 ccw(c131.523,95.084) 133.691,92.916 134.827,94.052 cw(c136.995,91.884) 136.995,94.95 142.08,94.95 cw(c142.08,91.884) 144.248,94.052 144.475,93.825 cw(c142.845,92.195) 145.15,92.195 145.15,91.978 cw(c142.668,91.978) 144.423,90.223 cw(c142.255,92.391) 142.255,89.325 140.275,89.325 139.97,89.325 ccw(c139.97,86.259) 137.802,88.427 136.973,87.598 ccw(c139.141,85.43) 136.075,85.43 ; 131.498,52.182 cw(c131.498,49.116) 133.666,51.284 134.802,50.148 ccw(c136.97,52.316) 136.97,49.25 141.757,49.25 ccw(c141.757,53.036) 144.434,50.359 ; 136.05,58.77 ccw(c139.116,58.77) 136.948,56.602 137.777,55.773 ccw(c139.945,57.941) 139.945,54.875 140.25,54.875 142.23,54.875 cw(c142.23,51.809) 144.398,53.977 cw(c142.643,52.222) 145.125,52.222 ; 136.099,58.77 136.099,83.568 136.099,85.43 ; 144.45,50.375 ccw(c142.82,52.005) 145.115,52.221

## Other copper
Top Layer:
  rectangle net NetR31_1: 112.549,60.993 114.224,61.993
  rectangle net NetC33_1: 118.799,55.868 119.399,57.143
  rectangle net 12V: 114.274,89.268 123.424,90.793
  region net A-3V3: 118.849,67.143 118.849,66.668 119.599,66.668 119.599,67.143
  region net A-3V3: 118.849,83.518 118.849,83.043 119.599,83.043 119.599,83.518
  region net SB-2: 122.824,66.793 122.824,66.168 124.474,66.168 124.474,66.793
  region net SB-1: 122.824,83.168 122.824,82.543 124.474,82.543 124.474,83.168
  region net SB-2: 123.474,64.493 123.474,63.368 131.574,63.368 131.574,64.493
  region net SB-2: 123.474,65.468 123.474,64.343 124.474,64.343 124.474,65.468
  region net SB-1: 123.474,81.843 123.474,80.718 124.474,80.718 124.474,81.843
  region net SB-1: 123.474,80.868 123.474,79.743 131.574,79.743 131.574,80.868
  region net SA-2: 122.349,70.343 122.349,69.518 125.524,69.518 125.524,70.343
  region net SA-2: 123.524,71.168 123.524,70.018 131.299,70.018 131.299,71.168
  region net SA-1: 122.349,86.693 122.349,85.893 125.524,85.893 125.524,86.693
  region net SA-1: 123.524,87.518 123.524,86.368 131.299,86.368 131.299,87.518
  region net NetQ8_1: 127.549,66.318 127.549,65.318 128.424,65.318 128.424,66.318
  region net NetQ6_1: 127.549,75.168 127.549,74.168 128.424,74.168 128.424,75.168
  region net NetQ4_1: 127.549,82.693 127.549,81.693 128.424,81.693 128.424,82.693
  region net NetQ2_1: 127.549,91.543 127.549,90.543 128.424,90.543 128.424,91.543
  region net 12V: 118.124,55.793 118.124,57.268 117.524,57.268 117.524,55.793
  rectangle net NetC42_2: 101.124,56.143 102.924,59.318
  rectangle net A-5V: 106.724,57.418 108.524,59.318
  rectangle net A-GND: 106.724,54.868 108.549,56.793
  region net SA-2: 126.17,70.182 ccw(c126.138,69.509) 125.684,70.007 ccw(c126.183,69.553) 125.509,69.522 125.509,70.182
  region net SA-1: 126.184,86.568 ccw(c126.153,85.895) 125.699,86.393 ccw(c126.197,85.939) 125.524,85.908 125.524,86.568
  region net SB-2: 131.099,62.708 ccw(c130.426,62.739) 130.924,63.193 ccw(c130.47,62.695) 130.439,63.368 131.099,63.368
  region net SB-2: 130.439,64.493 ccw(c130.47,65.166) 130.924,64.668 ccw(c130.426,65.122) 131.099,65.153 131.099,64.493
  region net SB-1: 130.439,80.868 ccw(c130.47,81.541) 130.924,81.043 ccw(c130.426,81.497) 131.099,81.528 131.099,80.868
  region net SB-1: 131.099,79.083 ccw(c130.426,79.114) 130.924,79.568 ccw(c130.47,79.07) 130.439,79.743 131.099,79.743
  region net SA-2: 122.889,70.343 ccw(c122.92,71.016) 123.374,70.518 ccw(c122.876,70.972) 123.549,71.003 123.549,70.343
  region net SA-2: 131.149,69.358 ccw(c130.476,69.389) 130.974,69.843 ccw(c130.52,69.345) 130.489,70.018 131.149,70.018
  region net SA-2: 130.489,71.168 ccw(c130.52,71.841) 130.974,71.343 ccw(c130.476,71.797) 131.149,71.828 131.149,71.168
  region net SA-1: 122.889,86.693 ccw(c122.92,87.366) 123.374,86.868 ccw(c122.876,87.322) 123.549,87.353 123.549,86.693
  region net SA-1: 131.149,85.708 ccw(c130.476,85.739) 130.974,86.193 ccw(c130.52,85.695) 130.489,86.368 131.149,86.368
  region net SA-1: 130.489,87.518 ccw(c130.52,88.191) 130.974,87.693 ccw(c130.476,88.147) 131.149,88.178 131.149,87.518
Bottom Layer:
  rectangle net 12V: 111.649,89.818 113.999,90.918
  rectangle net 12V: 122.049,59.793 125.874,62.643
  rectangle net NetC38_2: 110.224,60.993 112.324,61.968
  rectangle net 12V: 119.299,54.743 120.024,55.568
  rectangle net 12V: 117.799,54.518 118.449,55.618
  region net 12V: 124.824,85.743 124.824,60.718 127.099,60.718 127.099,85.743
  region net A-GND: 115.249,58.368 115.249,59.293 115.074,59.293 115.074,58.368
  region net A-5V: 114.674,59.168 114.674,60.268 109.974,60.268 109.974,59.168
  region net A-GND: 120.224,52.818 120.224,53.918 115.749,53.918 115.749,52.818
  region net A-GND: 116.349,59.193 116.349,60.193 116.049,60.193 116.049,59.193
  region net NetR35_1: 117.299,57.768 117.299,58.868 116.349,58.868 116.349,57.768
  region net NetR31_1: 117.374,60.868 117.374,61.968 114.474,61.968 114.474,60.868
  region net NetC33_2: 120.149,57.743 120.149,58.843 119.174,58.843 119.174,57.743
  rectangle net NetC35_1: 116.024,54.518 116.549,55.618
  rectangle net 12V: 121.174,54.768 125.274,56.018
  rectangle net 12V: 123.437,55.893 123.874,56.852
  rectangle net 12V: 123.224,55.918 123.574,56.668
  rectangle net 12V: 122.924,55.893 123.437,56.493
  rectangle net 12V: 122.524,55.918 123.224,56.243
  rectangle net 12V: 122.399,54.518 123.774,54.868
  rectangle net 12V: 123.299,53.968 124.074,54.418
  rectangle net 12V: 122.999,54.193 123.474,54.618
  rectangle net 12V: 123.424,54.268 123.749,54.618
  rectangle net A-5V: 104.074,63.418 105.874,64.868
  rectangle net A-GND: 104.074,65.993 105.874,67.168
  rectangle net A-3V3: 98.474,63.418 100.274,65.943
  rectangle net A-GND: 103.649,56.518 104.674,57.618
  rectangle net NetC42_2: 102.324,58.218 103.024,59.318
  rectangle net NetC42_2: 103.774,58.218 104.449,59.318
  rectangle net 12V: 122.824,54.393 123.124,54.668
  rectangle net 12V: 123.624,56.168 125.874,60.118
  rectangle net 12V: 124.274,72.768 125.174,74.518
  rectangle net 12V: 124.424,89.143 125.274,90.893
  rectangle net A-3V3: 84.55,71.825 86.775,72.925

## Silkscreen, mask and mechanical layers (free items; w line width, h text height)
Top Overlay:
  text "12V" at 113.5,88.45 h2 r90
  text "VGRT" at 90.325,85.725 h1.2
  text "12GV" at 102.6,85.725 h1.2
  text "<VRTG" at 69,78.75 h1.2 r270
  text "VCDG>" at 68.225,78.15 h1.2 r270
  text "5V" at 104.2,59.95 h2
  text "3V3" at 100.85,59.925 h2
  text "K" at 75.9,56.6 h8
Bottom Overlay:
  text "VGCD12" at 103.1,83 h1.2
  text "17.8.21" at 99.65,70.55 h3
Bottom Solder:
  lines w0.152: 95.85,73.625 101.7,73.625 101.7,79.075 95.85,79.075
  text "K" at 95.85,73.55 h8
  text "K" at 95.85,73.55 h8

## Text inside footprints (layer, text, board x,y; h text height)
P2: Bottom Overlay "8" at 104.071,84.97 h0.76 r180; Bottom Overlay "1" at 97.391,84.996 h0.76 r180
SPEAKER1: Top Overlay "装逼" at 88.099,62.243 h3.81 r270
U9: Bottom Overlay "1" at 80.811,67.981 h0.76 r270; Bottom Overlay "30" at 80.76,84.669 h0.76 r270